# Altium PCB DIOT_Kasli_Adapter.PcbDoc (part 1 of 10) (continued)
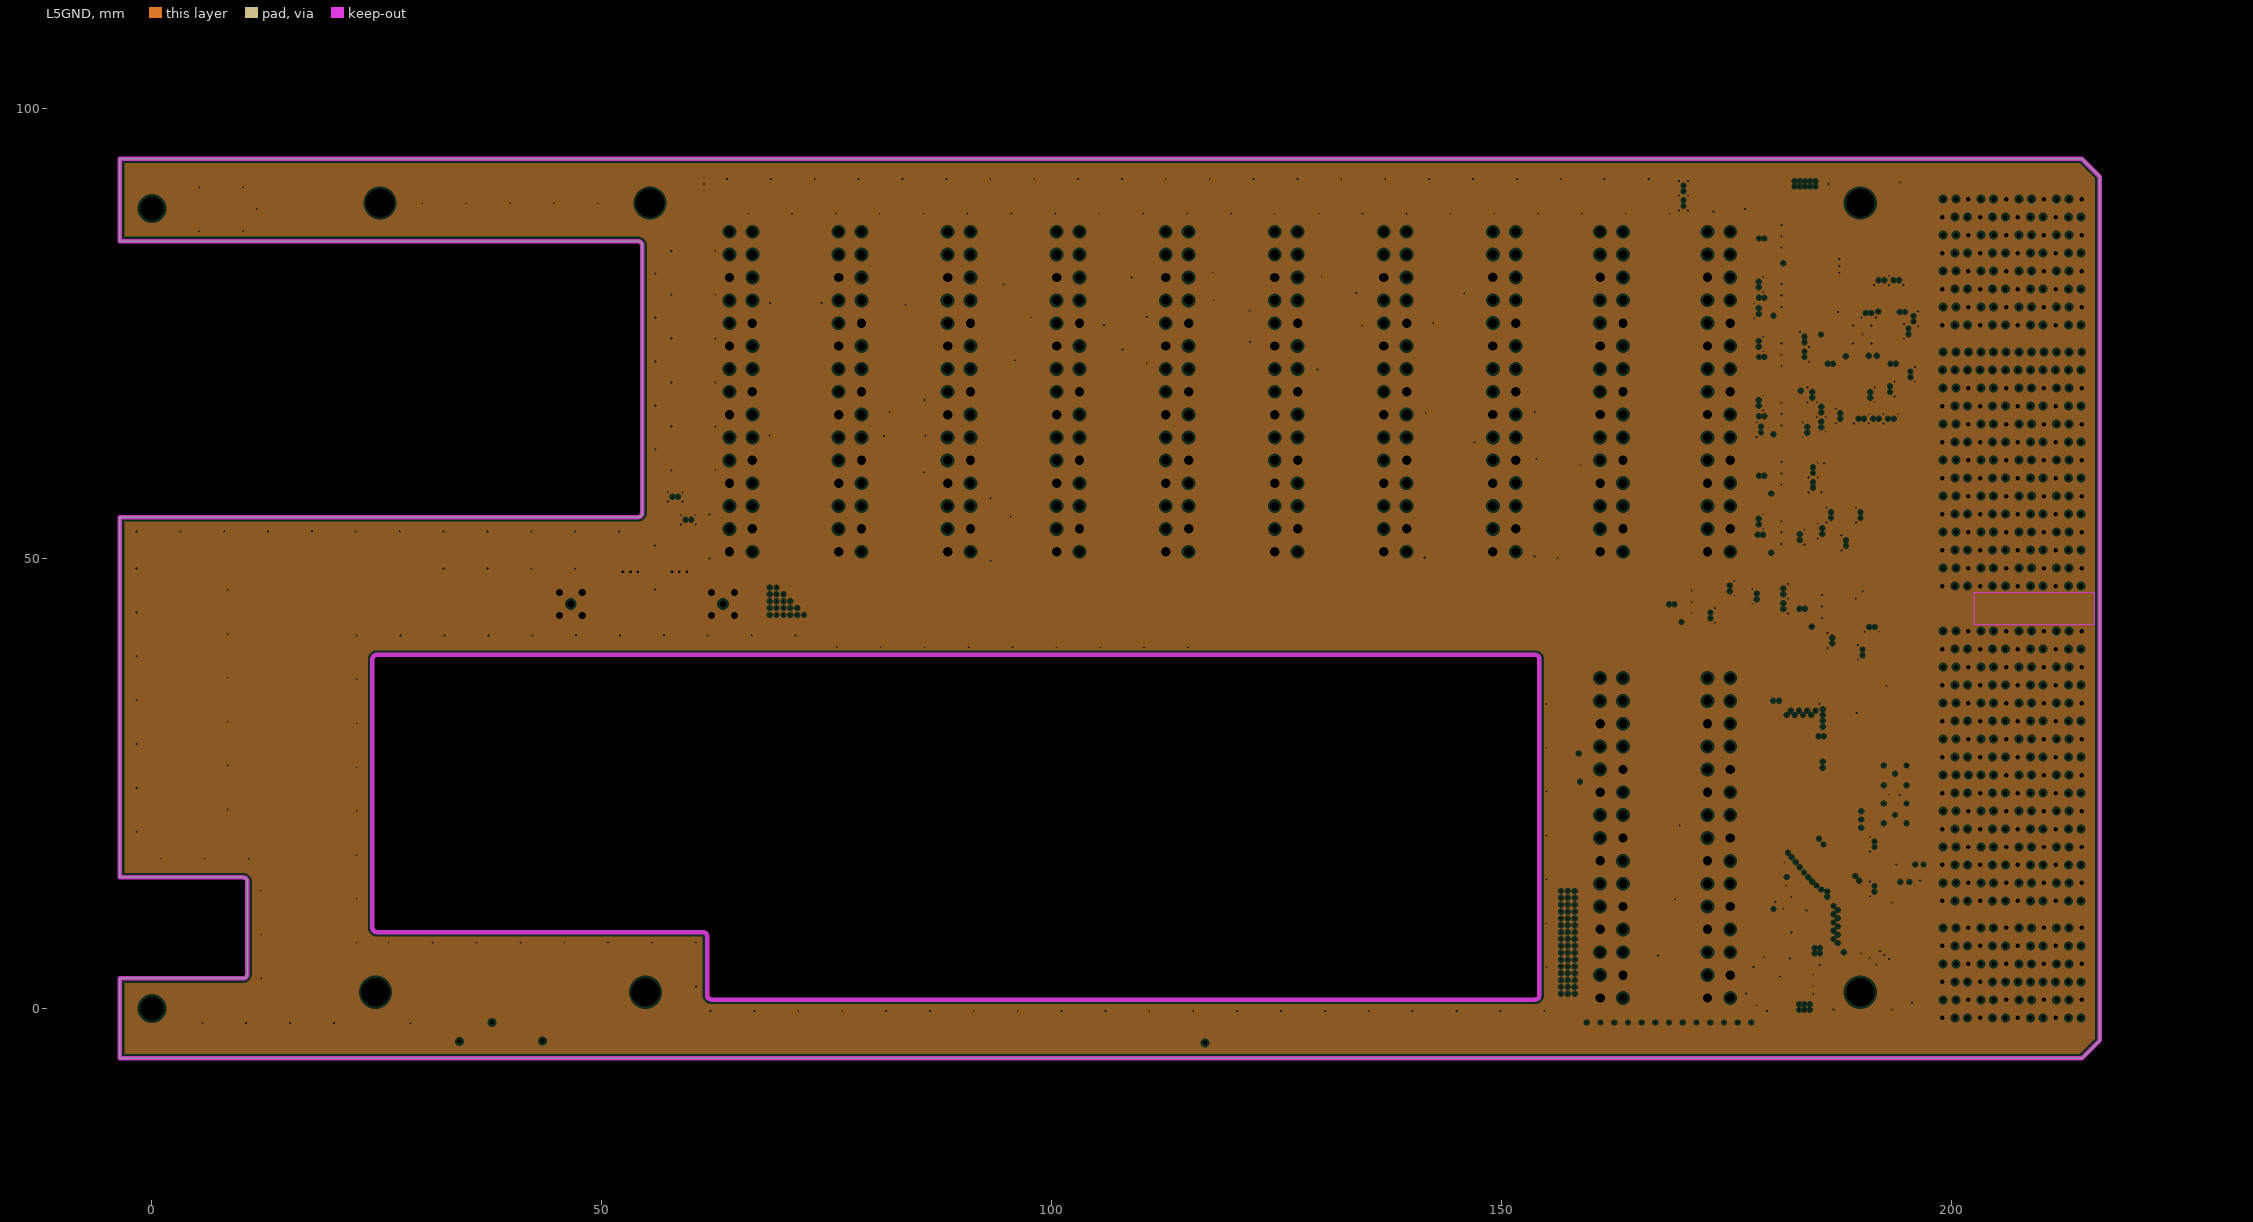
[diagram p5: L5GND, clearances drawn from the general rule]
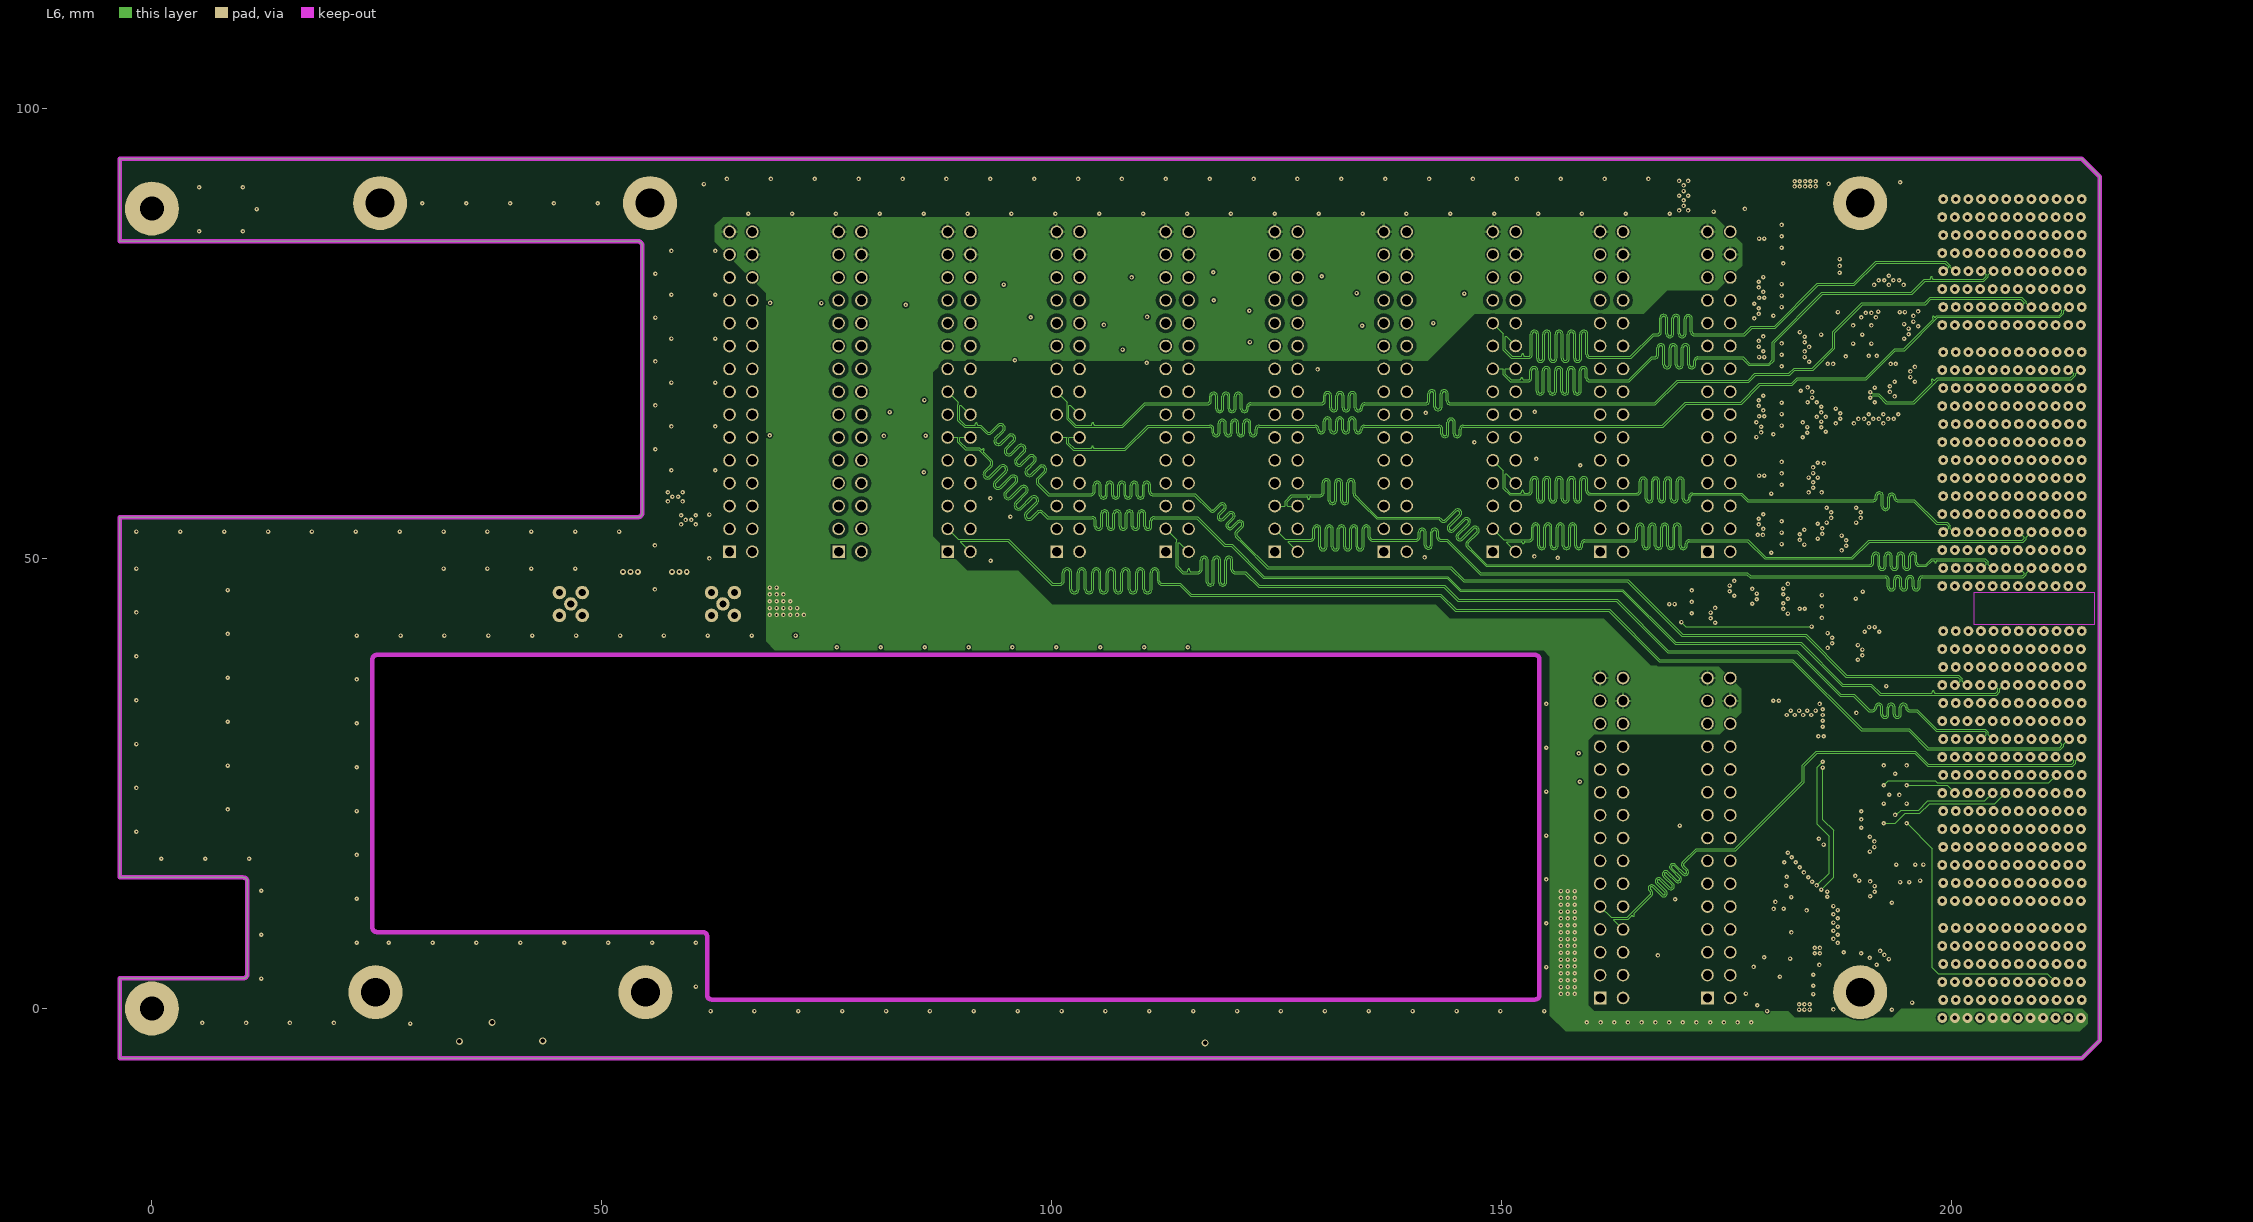
[diagram p6: L6]
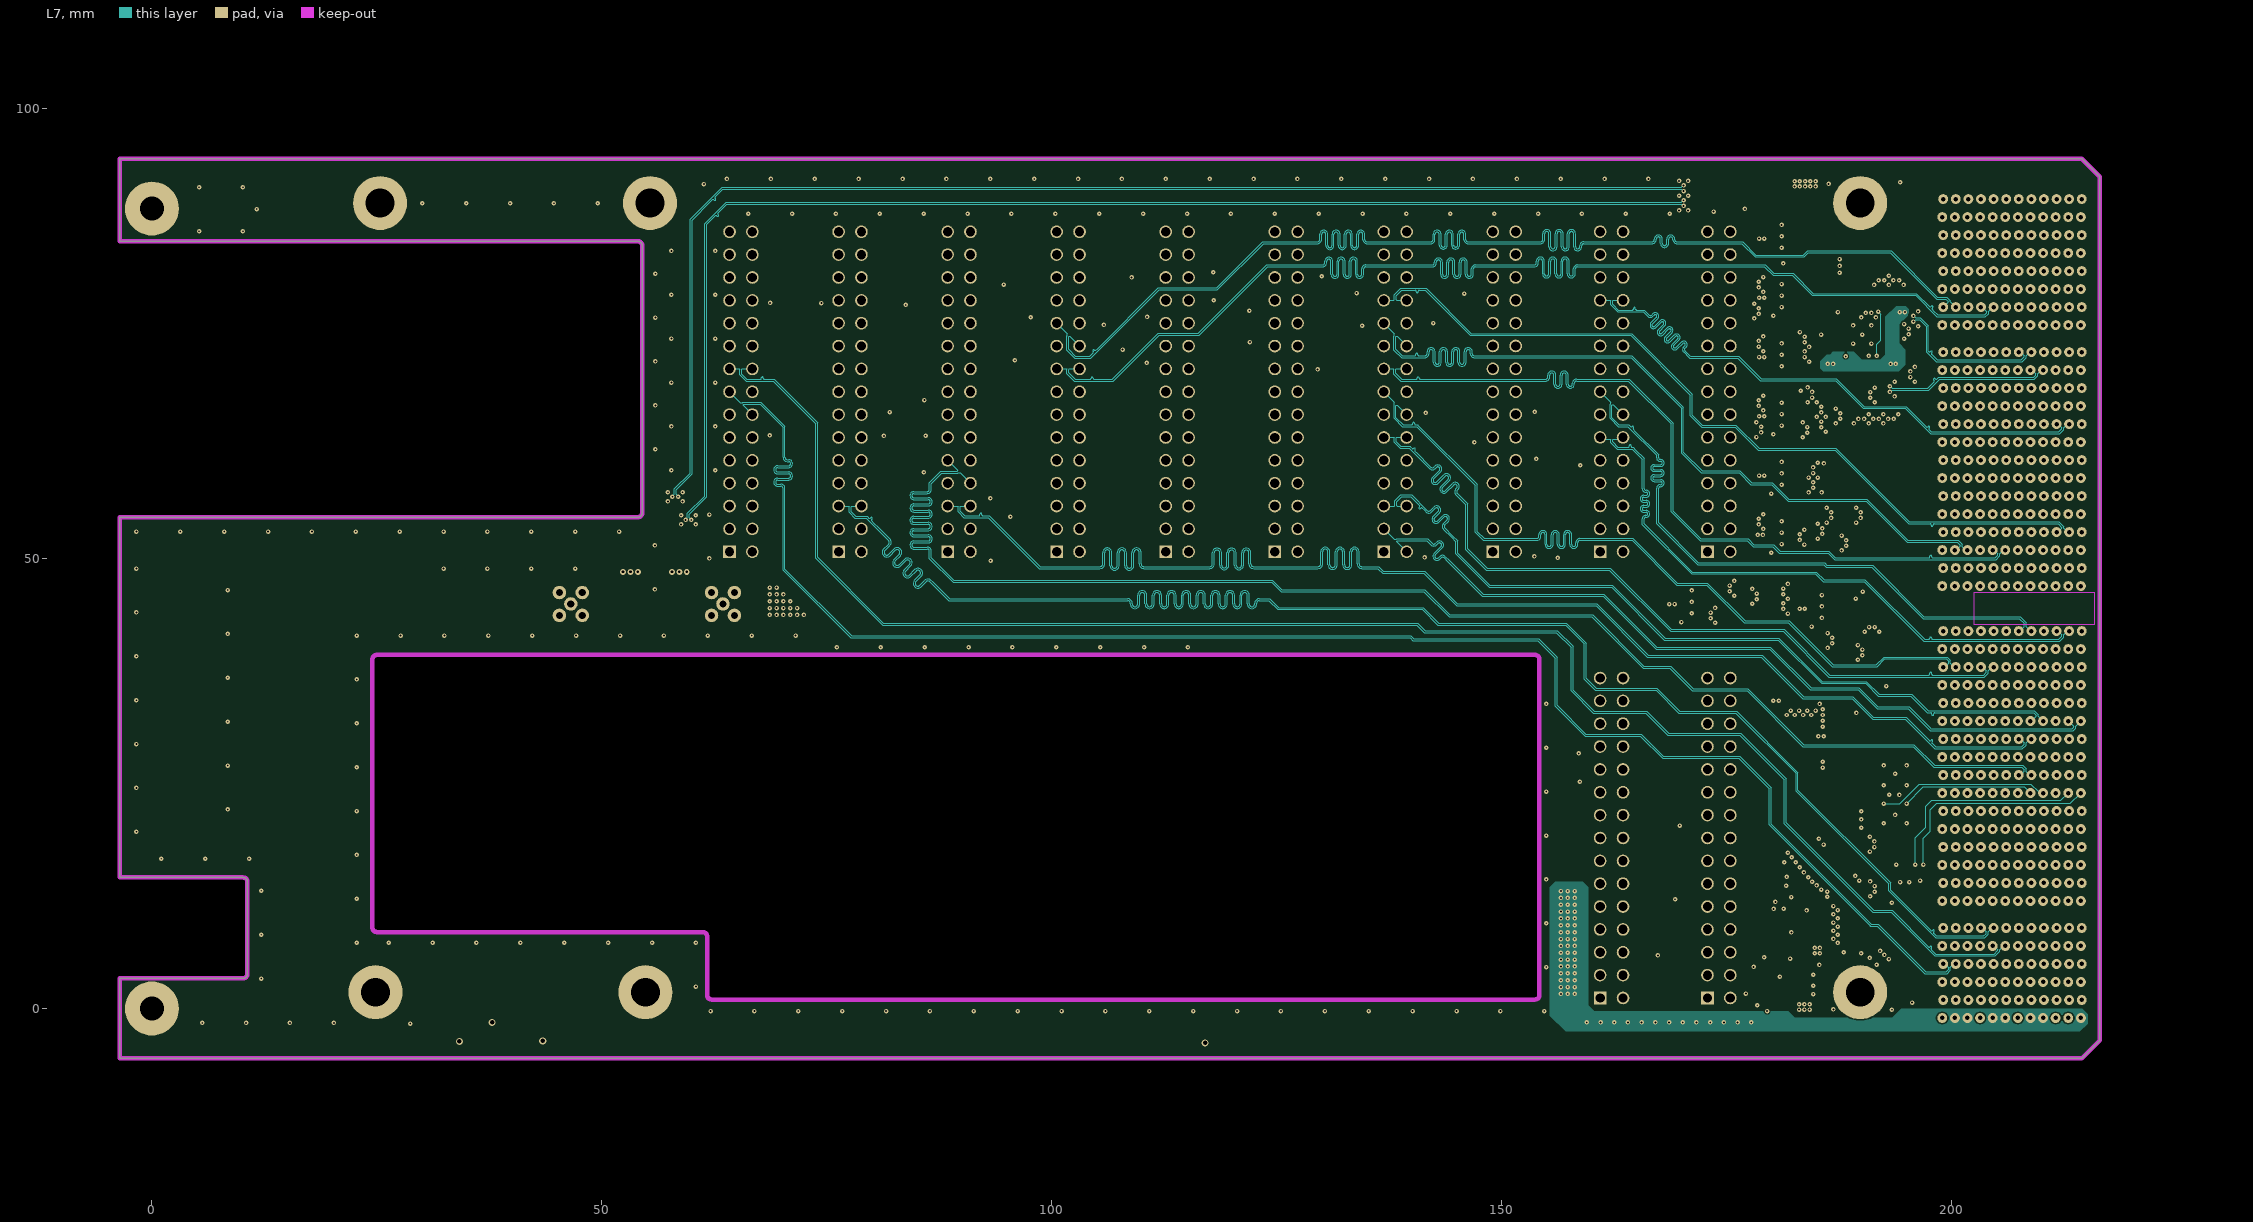
[diagram p7: L7]
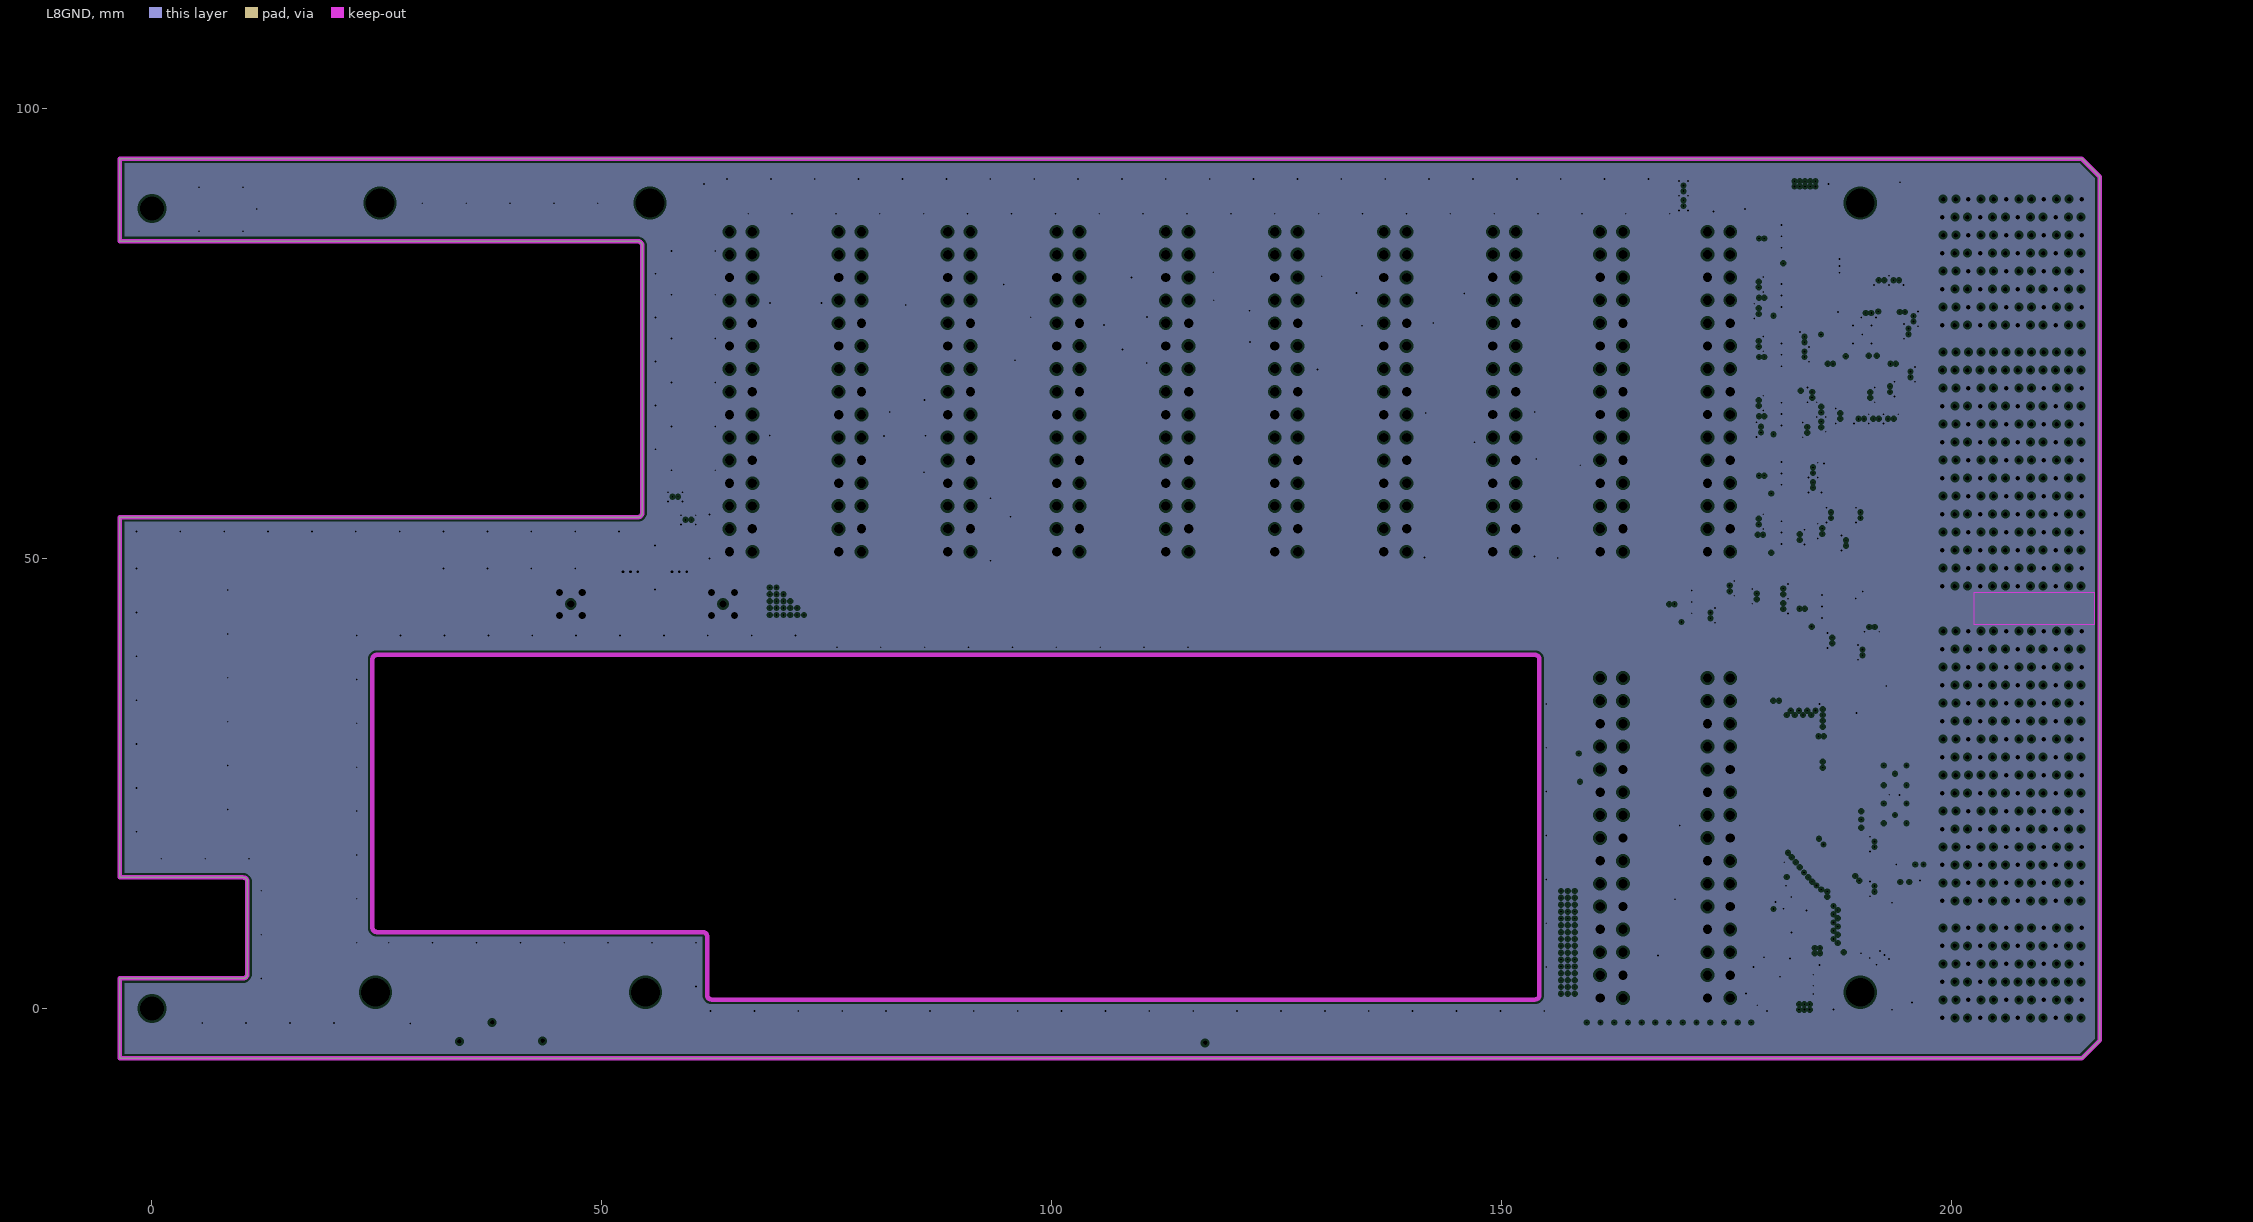
[diagram p8: L8GND, clearances drawn from the general rule]
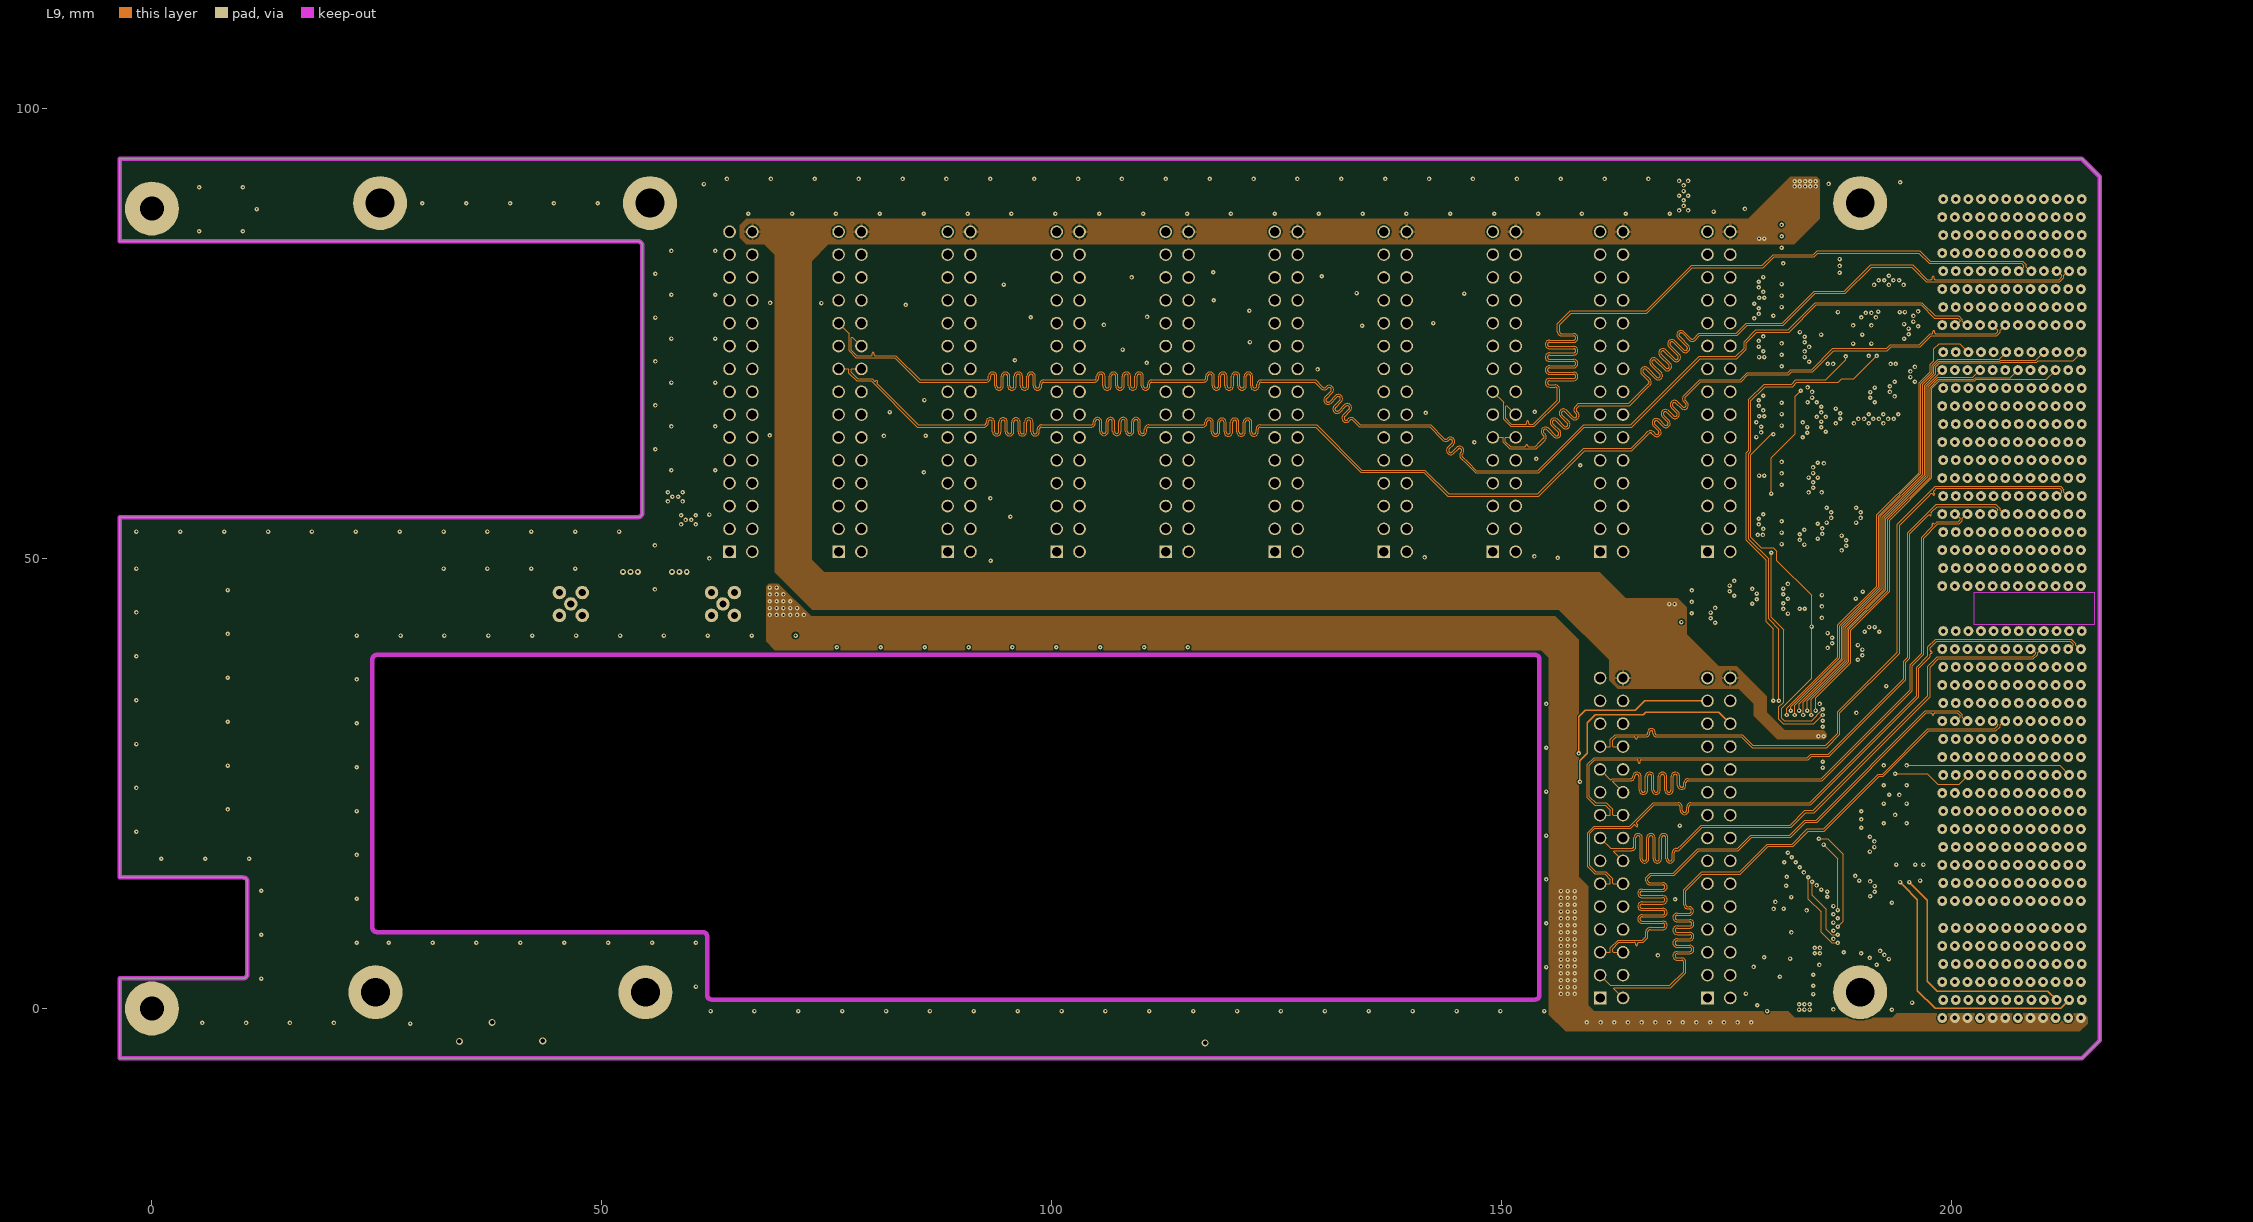
[diagram p9: L9]